# Altium PCB RS2-708_V010.PcbDoc (part 1 of 4) (continued)
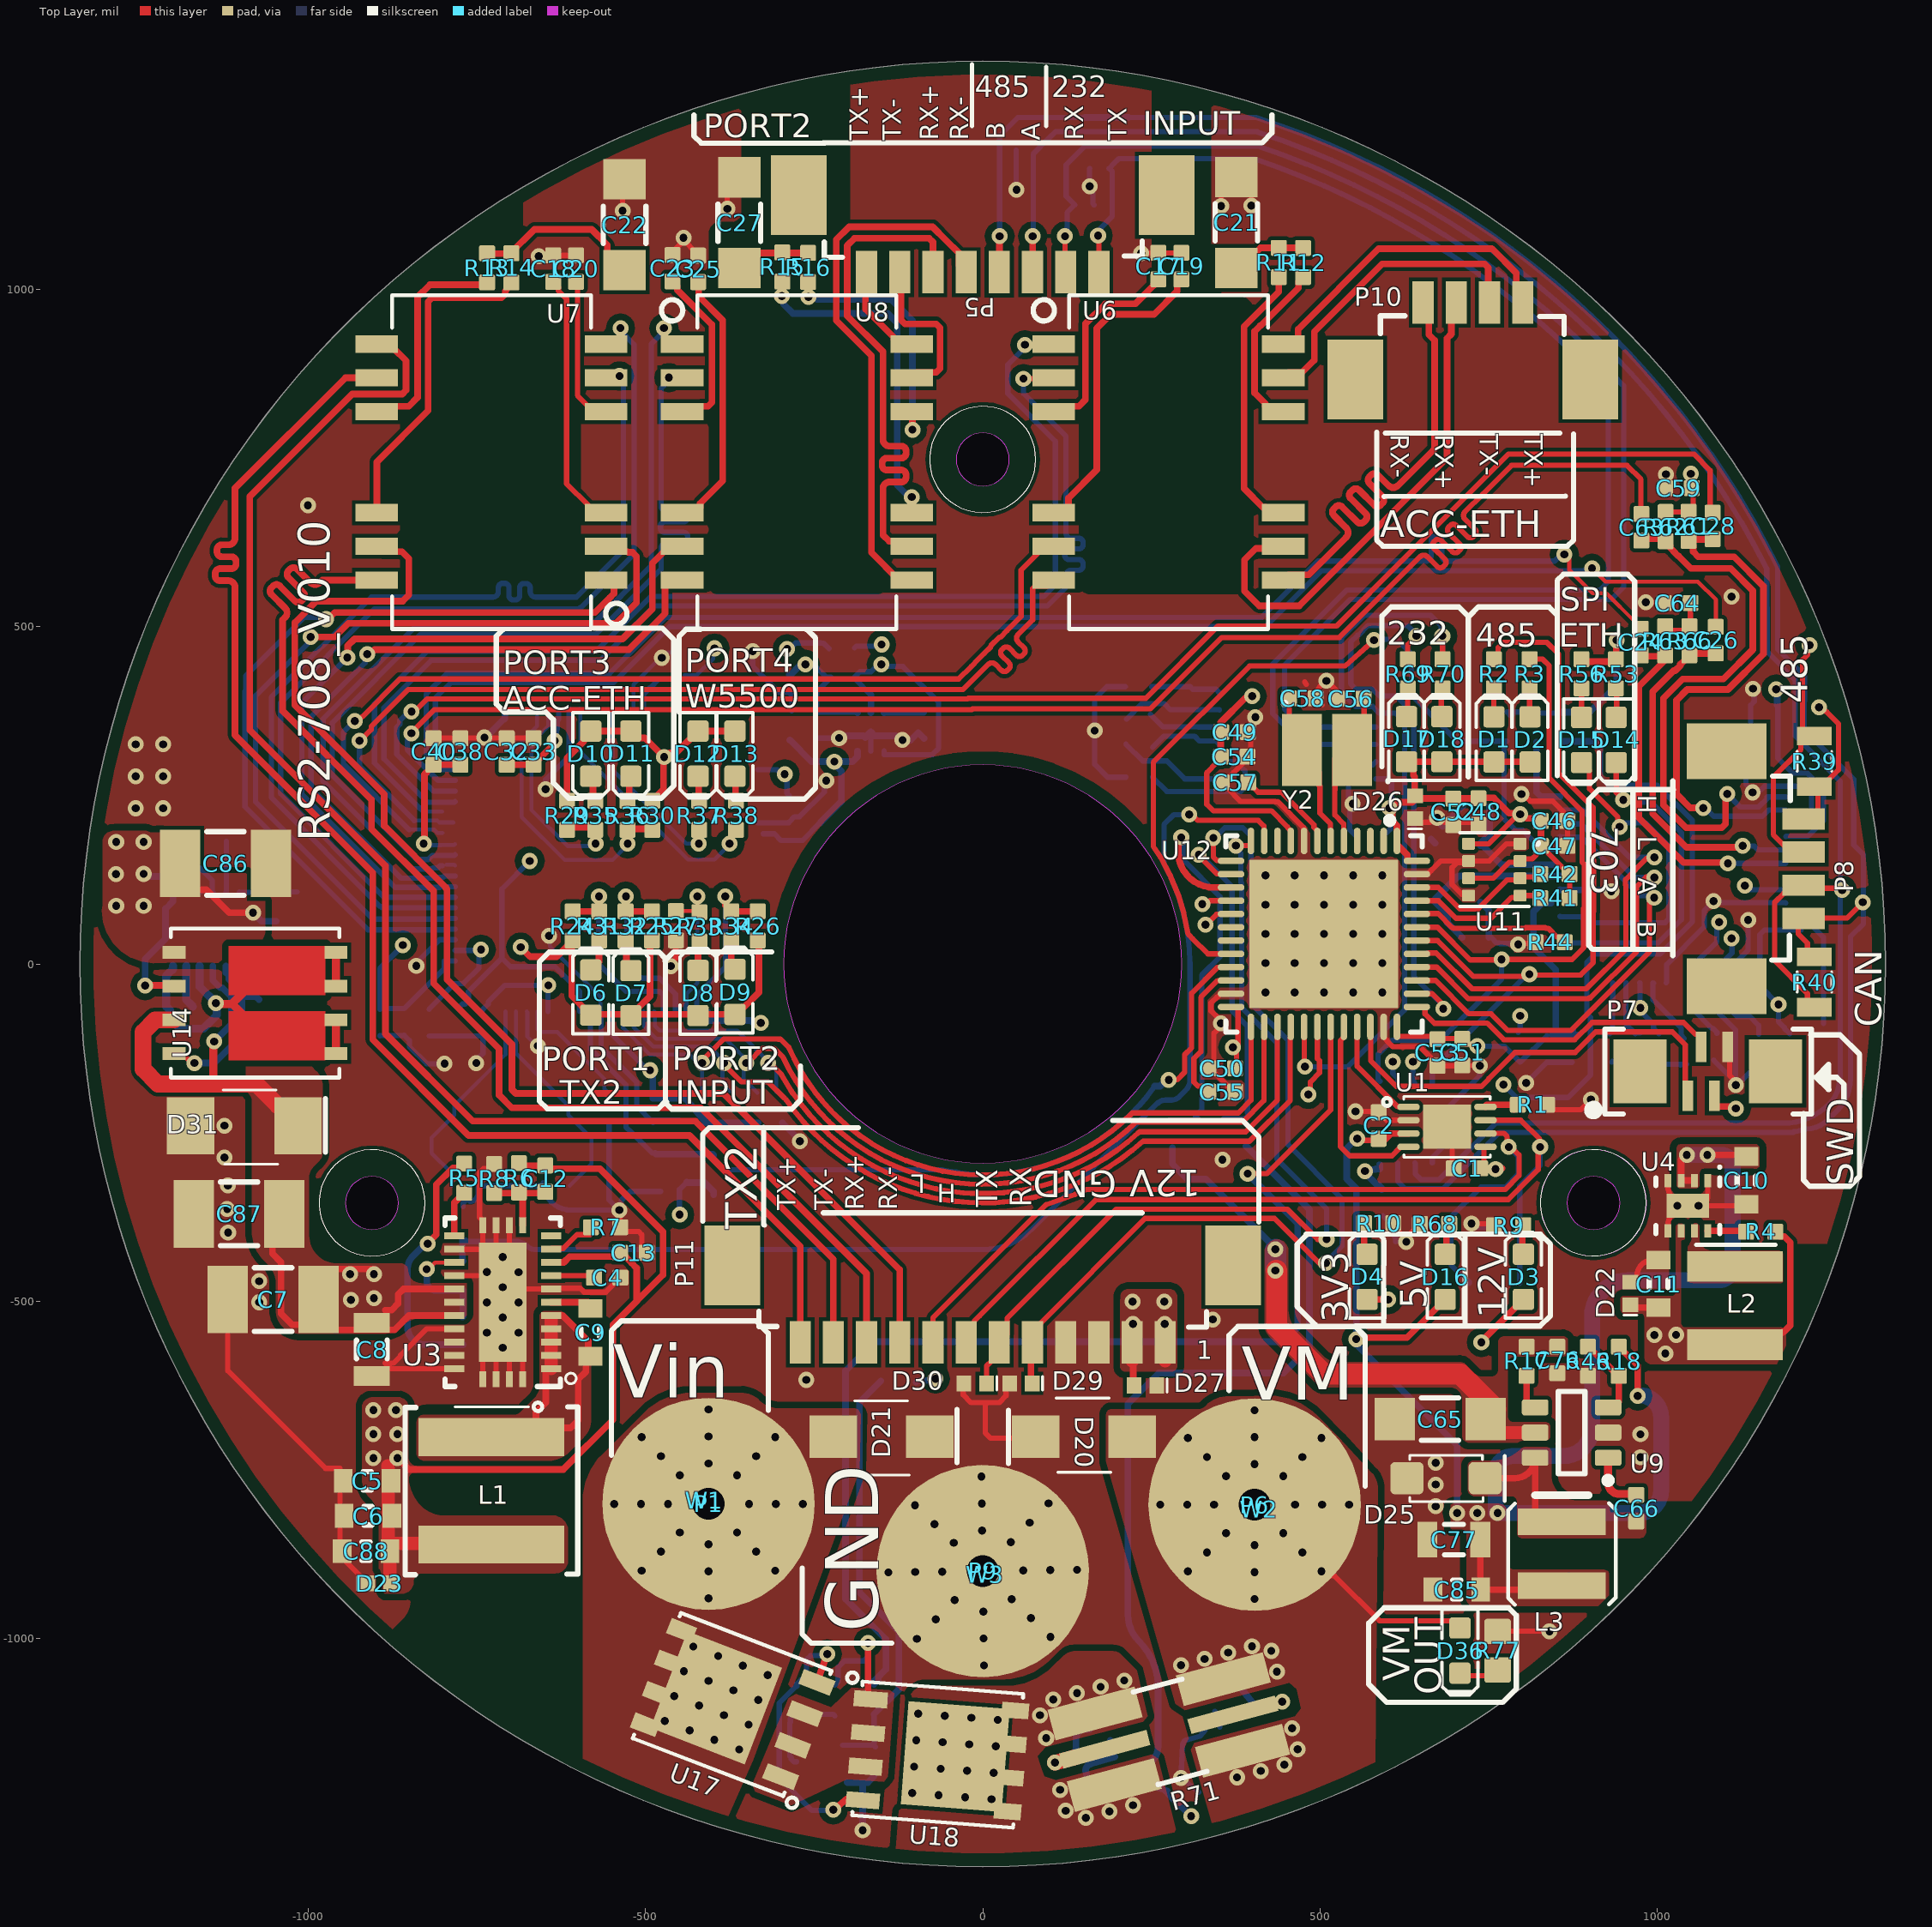
[diagram p0: Top Layer view]
## Part data (continued)
C8: Capacitance=470nF, Case/Package=0805, Case Code (Metric)=2012, Dielectric=X7R, Manufacturer 1=Murata, Manufacturer Part Number 1=GRM21BR72A474KA73L, Max Operating Temperature=125°C, Min Operating Temperature=-55°C, Package Quantity=1, Supplier Part Number 1=490-3326-1-ND, Voltage Rating=100V, Case Code (Imperial)=0805, ComponentLink1Description=https://datasheet.ciiva.com/140/grm21br72a474ka73-140555.pdf?src-supplier=Digi-Key, ComponentLink1URL=https://datasheet.ciiva.com/140/grm21br72a474ka73-140555.pdf?src-supplier=Digi-Key, ComponentLink2Description=https://datasheet.ciiva.com/3777/247grm21br72a474ka7323-3777925.pdf?src-supplier=Arrow, ComponentLink2URL=https://datasheet.ciiva.com/3777/247grm21br72a474ka7323-3777925.pdf?src-supplier=Arrow, ComponentLink3Description=https://datasheet.ciiva.com/140/grm21br72a474ka73-140556.pdf?src-supplier=Digi-Key, ComponentLink3URL=https://datasheet.ciiva.com/140/grm21br72a474ka73-140556.pdf?src-supplier=Digi-Key, ComponentLink4Description=https://datasheet.ciiva.com/11621/product-11621821.pdf?src-supplier=Avnet, ComponentLink4URL=https://datasheet.ciiva.com/11621/product-11621821.pdf?src-supplier=Avnet, ComponentLink5Description=https://datasheet.ciiva.com/16440/product-16440636.pdf?src-supplier=Future+Electronics, ComponentLink5URL=https://datasheet.ciiva.com/16440/product-16440636.pdf?src-supplier=Future+Electronics, Depth=1.25mm, Height=1.25mm, Lead Free="Lead Free", Length=2mm, Material=Ceramic, Mount="Surface Mount", Packaging="Tape and Reel", Pricing 1="1=0,73000, 10=0,51300, 100=0,33770, 500=0,25016, 1000=0,21264 (USD)", Radiation Hardening=No, REACH SVHC="No SVHC", RoHS=Yes, Stock 1=259019, Supplier 1=Digi-Key, Termination=SMD/SMT, Thickness=0.053inch, Voltage Rating (DC)=100V, Width=1.25mm
C11: Capacitance=22uF, Case/Package=0603, Case Code (Metric)=1608, Manufacturer=Samsung, Manufacturer Part Number=CL10A226MO7JZNC, Max Operating Temperature=85°C, Min Operating Temperature=-55°C, Supplier Part Number 1=1276-7076-1-ND, Tolerance=20%, Voltage Rating=16V, Case Code (Imperial)=0603, Component Type="Capacitor Ceramic", Mount="Surface Mount", Packaging="Tape and Reel", Stock 1=269638, Supplier 1=Digi-Key
C12: Capacitance=3.3pF, Case/Package=0402, Case Code (Metric)=1005, Dielectric=C0G, Manufacturer 1=Murata, Manufacturer Part Number 1=GJM1555C1H3R3CB01D, Max Operating Temperature=125°C, Min Operating Temperature=-55°C, Package Quantity=1, Supplier Part Number 1=490-3095-1-ND, Voltage Rating=50V, Case Code (Imperial)=0402, ComponentLink1Description=https://datasheet.ciiva.com/17453/product-17453499.pdf?src-supplier=Avnet+Europe, ComponentLink1URL=https://datasheet.ciiva.com/17453/product-17453499.pdf?src-supplier=Avnet+Europe, ComponentLink2Description=https://datasheet.ciiva.com/18183/getdatasheetpartid-137633-18183838.pdf?src-supplier=Verical, ComponentLink2URL=https://datasheet.ciiva.com/18183/getdatasheetpartid-137633-18183838.pdf?src-supplier=Verical, ComponentLink3Description=https://datasheet.ciiva.com/132/partnumbering-e-01-132447.pdf?src-supplier=Digi-Key, ComponentLink3URL=https://datasheet.ciiva.com/132/partnumbering-e-01-132447.pdf?src-supplier=Digi-Key, ComponentLink4Description=https://datasheet.ciiva.com/16218/l0005e-16218053.pdf?src-supplier=Future+Electronics, ComponentLink4URL=https://datasheet.ciiva.com/16218/l0005e-16218053.pdf?src-supplier=Future+Electronics, ComponentLink5Description=https://datasheet.ciiva.com/132/partnumbering-e-01-132445.pdf?src-supplier=Digi-Key, ComponentLink5URL=https://datasheet.ciiva.com/132/partnumbering-e-01-132445.pdf?src-supplier=Digi-Key, ComponentLink6Description=https://datasheet.ciiva.com/132/partnumbering-e-01-132446.pdf?src-supplier=Digi-Key, ComponentLink6URL=https://datasheet.ciiva.com/132/partnumbering-e-01-132446.pdf?src-supplier=Digi-Key, Depth=0.5mm, Height=0.5mm, Lead Free="Lead Free", Length=1mm, Mount="Surface Mount", Packaging="Tape and Reel", Pricing 1="1=0,12000, 10=0,08200, 100=0,03850, 500=0,02700, 1000=0,02236, 2500=0,02081, 5000=0,01904 (USD)", Radiation Hardening=No, RoHS=Yes, Stock 1=305012, Supplier 1=Digi-Key, Termination=SMD/SMT, Thickness=0.022inch, Voltage Rating (DC)=50V, Width=0.5mm
C13: Capacitance=1uF, Case Code (Imperial)=0402, Case Code (Metric)=1005, Manufacturer 1=Murata, Manufacturer Part Number 1=GRM155R6YA105KE11D, Max Operating Temperature=85°C, Min Operating Temperature=-55°C, Supplier Part Number 1=490-10019-1-ND, Voltage Rating=35V, Case/Package=0402, ComponentLink1Description=http://search.murata.co.jp/Ceramy/image/img/A01X/G101/ENG/GRM155R6YA105KE11-01.pdf?src-supplier=Digi-Key, ComponentLink1URL=http://search.murata.co.jp/Ceramy/image/img/A01X/G101/ENG/GRM155R6YA105KE11-01.pdf?src-supplier=Digi-Key, ComponentLink2Description=http://psearch.en.murata.com/capacitor/product/GRM155R6YA105KE11%23.pdf?src-supplier=Avnet, ComponentLink2URL=http://psearch.en.murata.com/capacitor/product/GRM155R6YA105KE11%23.pdf?src-supplier=Avnet, Length=0.039inch, Mount="Surface Mount", Packaging="Tape and Reel", Pricing 1="1=0,26000, 10=0,18100, 100=0,10280, 500=0,07258, 1000=0,06350, 2500=0,06048, 5000=0,05594 (USD)", RoHS=Yes, Stock 1=441965, Supplier 1=Digi-Key, Thickness=0.024inch, Voltage Rating (DC)=35V, Width=0.02inch
C16 C64 C75: Capacitance=10nF, Case/Package=0402, Case Code (Metric)=1005, Dielectric=X7R, Manufacturer 1=Murata, Manufacturer Part Number 1=GCM155R71H103KA55D, Max Operating Temperature=125°C, Min Operating Temperature=-55°C, Package Quantity=1, Ratings=AEC-Q200, Supplier Part Number 1=490-4762-1-ND, Voltage Rating=50V, Case Code (Imperial)=0402, ComponentLink1Description=https://datasheet.ciiva.com/16199/product-16199584.pdf?src-supplier=Future+Electronics, ComponentLink1URL=https://datasheet.ciiva.com/16199/product-16199584.pdf?src-supplier=Future+Electronics, ComponentLink2Description=https://datasheet.ciiva.com/18100/getdatasheetpartid-27433-18100656.pdf?src-supplier=Verical, ComponentLink2URL=https://datasheet.ciiva.com/18100/getdatasheetpartid-27433-18100656.pdf?src-supplier=Verical, ComponentLink3Description=https://datasheet.ciiva.com/11787/0900766b80ef92d0-11787082.pdf?src-supplier=RSComponents, ComponentLink3URL=https://datasheet.ciiva.com/11787/0900766b80ef92d0-11787082.pdf?src-supplier=RSComponents, ComponentLink4Description=https://datasheet.ciiva.com/130/product-130683.pdf?src-supplier=Digi-Key, ComponentLink4URL=https://datasheet.ciiva.com/130/product-130683.pdf?src-supplier=Digi-Key, ComponentLink5Description=https://datasheet.ciiva.com/130/product-130682.pdf?src-supplier=Digi-Key, ComponentLink5URL=https://datasheet.ciiva.com/130/product-130682.pdf?src-supplier=Digi-Key, ComponentLink6Description=https://datasheet.ciiva.com/130/product-130684.pdf?src-supplier=Digi-Key, ComponentLink6URL=https://datasheet.ciiva.com/130/product-130684.pdf?src-supplier=Digi-Key, ComponentLink7Description=https://datasheet.ciiva.com/2989/product-2989235.pdf?src-supplier=Avnet, ComponentLink7URL=https://datasheet.ciiva.com/2989/product-2989235.pdf?src-supplier=Avnet, ComponentLink8Description=https://datasheet.ciiva.com/16624/product-16624550.pdf?src-supplier=Avnet+Europe, ComponentLink8URL=https://datasheet.ciiva.com/16624/product-16624550.pdf?src-supplier=Avnet+Europe, Depth=0.5mm, Height=0.5mm, Lead Free="Lead Free", Length=1mm, Mount="Surface Mount", Packaging="Tape and Reel", Pricing 1="1=0,10000, 10=0,04400, 100=0,01980, 500=0,01412, 1000=0,01109, 2500=0,01008, 5000=0,00927 (USD)", Radiation Hardening=No, REACH SVHC="No SVHC", RoHS=Yes, Stock 1=20325180, Supplier 1=Digi-Key, Termination=SMD/SMT, Thickness=0.022inch, Voltage Rating (DC)=50V, Width=0.02inch
C21 C22 C27: Capacitance=1nF, Case/Package=1206, Dielectric=X7R, Dielectric Material=Ceramic, Max Operating Temperature=125°C, Min Operating Temperature=-55°C, Supplier Part Number 1=399-4819-1-ND, Voltage Rating (DC)=2kV, ComponentLink1Description=http://www.farnell.com/datasheets/1807957.pdf?src-supplier=Element14, ComponentLink1URL=http://www.farnell.com/datasheets/1807957.pdf?src-supplier=Element14, ComponentLink2Description=https://www.verical.com/server-webapp/html/getDatasheet?partID=359031&src-supplier=Verical, ComponentLink2URL=https://www.verical.com/server-webapp/html/getDatasheet?partID=359031&src-supplier=Verical, ComponentLink3Description=http://www.farnell.com/datasheets/1372242.pdf?src-supplier=Element14, ComponentLink3URL=http://www.farnell.com/datasheets/1372242.pdf?src-supplier=Element14, Depth=1.6mm, Height=1.6mm, Length=3.2mm, Mount="Surface Mount", Packaging="Tape and Reel", Radiation Hardening=No, Stock 1=192377, Supplier 1=Digi-Key
C28 C63 C66 C84: Capacitance=100nF, Case Code (Imperial)=0402, Case Code (Metric)=1005, Dielectric=X7R, Manufacturer=TDK, Manufacturer Part Number=CGA2B3X7R1H104K050BB, Max Operating Temperature=125°C, Min Operating Temperature=-55°C, Package Quantity=1, Ratings=AEC-Q200, Supplier Part Number 1=445-6899-1-ND, Tolerance=10%, Voltage=50V, Case/Package=0402, ComponentLink1Description=http://product.tdk.com/capacitor/mlcc/en/documents/mlccspec_automotive_general_midvoltage_en.pdf?src-supplier=Future+Electronics, ComponentLink1URL=http://product.tdk.com/capacitor/mlcc/en/documents/mlccspec_automotive_general_midvoltage_en.pdf?src-supplier=Future+Electronics, ComponentLink2Description=http://www.farnell.com/datasheets/1807242.pdf?src-supplier=Element14, ComponentLink2URL=http://www.farnell.com/datasheets/1807242.pdf?src-supplier=Element14, ComponentLink3Description=http://www.mouser.com/ds/2/400/lcc_automotive_general_en-843974.pdf?src-supplier=Mouser, ComponentLink3URL=http://www.mouser.com/ds/2/400/lcc_automotive_general_en-843974.pdf?src-supplier=Mouser, ComponentLink4Description=http://www.farnell.com/datasheets/1936565.pdf?src-supplier=Element14, ComponentLink4URL=http://www.farnell.com/datasheets/1936565.pdf?src-supplier=Element14, ComponentLink5Description=http://www.farnell.com/datasheets/1735392.pdf?src-supplier=Element14, ComponentLink5URL=http://www.farnell.com/datasheets/1735392.pdf?src-supplier=Element14, Composition=Ceramic, Depth=0.5mm, Height=0.5mm, Lead Free="Lead Free", Length=1mm, Mount="Surface Mount", Packaging="Tape and Reel", REACH SVHC="No SVHC", Stock 1=14098587, Supplier 1=Digi-Key, Termination=SMD/SMT, Thickness=0.022inch, Voltage Rating=50V, Voltage Rating (DC)=50V, Weight=2.3E-05oz, Width=0.02inch
C29 C30: Capacitance=22pF, Case/Package=0402, Case Code (Metric)=1005, Dielectric=C0G, Manufacturer 1=Murata, Manufacturer Part Number 1=GRM1555C1H220FA01D, Max Operating Temperature=125°C, Min Operating Temperature=-55°C, Package Quantity=1, Supplier Part Number 1=490-8589-1-ND, Voltage Rating=50V, Case Code (Imperial)=0402, ComponentLink1Description=https://datasheet.ciiva.com/11789/0900766b80ef921d-11789137.pdf?src-supplier=RSComponents, ComponentLink1URL=https://datasheet.ciiva.com/11789/0900766b80ef921d-11789137.pdf?src-supplier=RSComponents, ComponentLink2Description=https://datasheet.ciiva.com/29536/partnumbering-e-01-29536087.pdf?src-supplier=Digi-Key, ComponentLink2URL=https://datasheet.ciiva.com/29536/partnumbering-e-01-29536087.pdf?src-supplier=Digi-Key, ComponentLink3Description=https://datasheet.ciiva.com/29534/partnumbering-e-01-29534686.pdf?src-supplier=Digi-Key, ComponentLink3URL=https://datasheet.ciiva.com/29534/partnumbering-e-01-29534686.pdf?src-supplier=Digi-Key, ComponentLink4Description=https://datasheet.ciiva.com/29536/partnumbering-e-01-29536088.pdf?src-supplier=Digi-Key, ComponentLink4URL=https://datasheet.ciiva.com/29536/partnumbering-e-01-29536088.pdf?src-supplier=Digi-Key, Depth=0.5mm, Height=0.5mm, Lead Free="Lead Free", Length=1mm, Material=Ceramic, Mount="Surface Mount", Packaging="Tape and Reel", Pricing 1="1=0,10000, 10=0,07400, 100=0,03290, 500=0,02348, 1000=0,01845, 2500=0,01678, 5000=0,01543 (USD)", Radiation Hardening=No, REACH SVHC="No SVHC", RoHS=Yes, Stock 1=1227141, Supplier 1=Digi-Key, Termination=SMD/SMT, Thickness=0.022inch, Voltage Rating (DC)=50V, Width=0.5mm
C32 C36 C38 C42 C53 C62 C73: Capacitance=4.7uF, Case/Package=0402, Case Code (Metric)=1005, Manufacturer 1=Samsung, Manufacturer Part Number 1=CL05A475MO5NUNC, Max Operating Temperature=85°C, Min Operating Temperature=-55°C, Supplier Part Number 1=1276-6836-1-ND, Voltage Rating=16V, Case Code (Imperial)=0402, ComponentLink1Description=http://www.samsungsem.com/kr/support/product-search/mlcc/CL05A475MO5NUNC.jsp?src-supplier=Digi-Key, ComponentLink1URL=http://www.samsungsem.com/kr/support/product-search/mlcc/CL05A475MO5NUNC.jsp?src-supplier=Digi-Key, Length=0.039inch, Mount="Surface Mount", Packaging="Tape and Reel", Pricing 1="1=0,41000, 10=0,29200, 100=0,19210, 500=0,14232, 1000=0,12097, 2500=0,11386, 5000=0,10674 (USD)", RoHS=Yes, Stock 1=2288634, Supplier 1=Digi-Key, Thickness=0.022inch, Width=0.02inch
C54: Capacitance=1uF, Case/Package=0402, Case Code (Metric)=1005, Manufacturer 1=Murata, Manufacturer Part Number 1=GRM155R6YA105KE11D, Max Operating Temperature=85°C, Min Operating Temperature=-55°C, Supplier Part Number 1=490-10019-1-ND, Voltage Rating=35V, Case Code (Imperial)=0402, ComponentLink1Description=http://search.murata.co.jp/Ceramy/image/img/A01X/G101/ENG/GRM155R6YA105KE11-01.pdf?src-supplier=Digi-Key, ComponentLink1URL=http://search.murata.co.jp/Ceramy/image/img/A01X/G101/ENG/GRM155R6YA105KE11-01.pdf?src-supplier=Digi-Key, ComponentLink2Description=http://psearch.en.murata.com/capacitor/product/GRM155R6YA105KE11%23.pdf?src-supplier=Avnet, ComponentLink2URL=http://psearch.en.murata.com/capacitor/product/GRM155R6YA105KE11%23.pdf?src-supplier=Avnet, Length=0.039inch, Mount="Surface Mount", Packaging="Tape and Reel", Pricing 1="1=0,26000, 10=0,18100, 100=0,10280, 500=0,07258, 1000=0,06350, 2500=0,06048, 5000=0,05594 (USD)", RoHS=Yes, Stock 1=441965, Supplier 1=Digi-Key, Thickness=0.024inch, Voltage Rating (DC)=35V, Width=0.02inch
C56 C58: "CAP CER 6PF 100V C0G/NP0 0402", Capacitance=6pF, Case Code (Imperial)=0402, Case Code (Metric)=1005, Manufacturer 1=KEMET, Manufacturer Part Number 1=CBR04C609B1GAC, Max Operating Temperature=125°C, Min Operating Temperature=-55°C, Package Quantity=1, Supplier Part Number 1=399-8610-1-ND, Voltage Rating=100V, Case/Package=0402, Category="Ceramic Capacitors", ComponentLink1Description=https://datasheet.ciiva.com/6257/kem-c1030-cbr-smd-6257478.pdf?src-supplier=Digi-Key, ComponentLink1URL=https://datasheet.ciiva.com/6257/kem-c1030-cbr-smd-6257478.pdf?src-supplier=Digi-Key, ComponentLink2Description=https://datasheet.ciiva.com/6257/kem-c1030-cbr-smd-6257482.pdf?src-supplier=Digi-Key, ComponentLink2URL=https://datasheet.ciiva.com/6257/kem-c1030-cbr-smd-6257482.pdf?src-supplier=Digi-Key, Length=0.039inch, Mount="Surface Mount", Packaging="Tape and Reel", Pricing 1="1=0,34000, 10=0,23300, 50=0,15540, 100=0,13200, 500=0,09320, 1000=0,08154, 2500=0,07766, 5000=0,07184 (USD)", RoHS=Yes, RoHS Compliant=Yes, Series=CBR, Stock 1=20446, Supplier 1=Digi-Key, Thickness=0.022inch, Voltage Rating (DC)=100V, Width=0.02inch
C59: Capacitance=22nF, Case/Package=0402, Case Code (Metric)=1005, Dielectric=X7R, Manufacturer 1=Murata, Manufacturer Part Number 1=GCM155R71H223KA55D, Max Operating Temperature=125°C, Min Operating Temperature=-55°C, Package Quantity=10000, Ratings=AEC-Q200, Supplier Part Number 1=490-4763-1-ND, Voltage Rating=50V, Case Code (Imperial)=0402, ComponentLink1Description=https://datasheet.ciiva.com/155/product-155891.pdf?src-supplier=Digi-Key, ComponentLink1URL=https://datasheet.ciiva.com/155/product-155891.pdf?src-supplier=Digi-Key, ComponentLink2Description=https://datasheet.ciiva.com/155/product-155890.pdf?src-supplier=Digi-Key, ComponentLink2URL=https://datasheet.ciiva.com/155/product-155890.pdf?src-supplier=Digi-Key, ComponentLink3Description=https://datasheet.ciiva.com/16199/product-16199333.pdf?src-supplier=Future+Electronics, ComponentLink3URL=https://datasheet.ciiva.com/16199/product-16199333.pdf?src-supplier=Future+Electronics, ComponentLink4Description=https://datasheet.ciiva.com/155/product-155892.pdf?src-supplier=Digi-Key, ComponentLink4URL=https://datasheet.ciiva.com/155/product-155892.pdf?src-supplier=Digi-Key, ComponentLink5Description=https://datasheet.ciiva.com/16624/product-16624552.pdf?src-supplier=Avnet+Europe, ComponentLink5URL=https://datasheet.ciiva.com/16624/product-16624552.pdf?src-supplier=Avnet+Europe, Depth=0.5mm, Height=0.5mm, Lead Free="Lead Free", Length=1mm, Mount="Surface Mount", Packaging="Tape and Reel", Pricing 1="1=0,11000, 10=0,07700, 100=0,03450, 500=0,02462, 1000=0,01935, 2500=0,01759, 5000=0,01618 (USD)", Radiation Hardening=No, RoHS=Yes, Stock 1=1693651, Supplier 1=Digi-Key, Termination=SMD/SMT, Thickness=0.022inch, Voltage Rating (DC)=50V, Width=0.02inch
C60 C61: Capacitance=16pF, Case/Package=0402, Case Code (Metric)=1005, Dielectric=C0G, Manufacturer 1=Murata, Manufacturer Part Number 1=GRM1555C1H160JA01D, Max Operating Temperature=125°C, Min Operating Temperature=-55°C, Package Quantity=1, Supplier Part Number 1=490-5926-1-ND, Voltage Rating=50V, Case Code (Imperial)=0402, ComponentLink1Description=https://datasheet.ciiva.com/3778/10932grm1555c1h160ja0123-3778199.pdf?src-supplier=Arrow, ComponentLink1URL=https://datasheet.ciiva.com/3778/10932grm1555c1h160ja0123-3778199.pdf?src-supplier=Arrow, ComponentLink2Description=https://datasheet.ciiva.com/6256/grm1555c1h160ja01-01-6256808.pdf?src-supplier=Digi-Key, ComponentLink2URL=https://datasheet.ciiva.com/6256/grm1555c1h160ja01-01-6256808.pdf?src-supplier=Digi-Key, ComponentLink3Description=https://datasheet.ciiva.com/18184/getdatasheetpartid-319096-18184204.pdf?src-supplier=Verical, ComponentLink3URL=https://datasheet.ciiva.com/18184/getdatasheetpartid-319096-18184204.pdf?src-supplier=Verical, ComponentLink4Description=https://datasheet.ciiva.com/22698/1666664-22698393.pdf?src-supplier=Element14, ComponentLink4URL=https://datasheet.ciiva.com/22698/1666664-22698393.pdf?src-supplier=Element14, ComponentLink5Description=https://datasheet.ciiva.com/6256/partnumbering-e-01-6256810.pdf?src-supplier=Digi-Key, ComponentLink5URL=https://datasheet.ciiva.com/6256/partnumbering-e-01-6256810.pdf?src-supplier=Digi-Key, ComponentLink6Description=https://datasheet.ciiva.com/6256/partnumbering-e-01-6256812.pdf?src-supplier=Digi-Key, ComponentLink6URL=https://datasheet.ciiva.com/6256/partnumbering-e-01-6256812.pdf?src-supplier=Digi-Key, ComponentLink7Description=https://datasheet.ciiva.com/5426/product-5426941.pdf?src-supplier=Mouser, ComponentLink7URL=https://datasheet.ciiva.com/5426/product-5426941.pdf?src-supplier=Mouser, Depth=0.5mm, Height=0.5mm, Lead Free="Lead Free", Length=1mm, Material=Ceramic, Mount="Surface Mount", Packaging="Tape and Reel", Pricing 1="1=0,10000, 10=0,06500, 100=0,02920, 500=0,02082, 1000=0,01637, 2500=0,01488, 5000=0,01369 (USD)", Radiation Hardening=No, REACH SVHC="No SVHC", RoHS=Yes, Stock 1=244001, Supplier 1=Digi-Key, Termination=SMD/SMT, Thickness=0.022inch, Voltage Rating (DC)=50V, Width=0.5mm
C65: "CAP CER 2.2UF 100V X7R 1206", Capacitance=2.2uF, Case/Package=1206, Manufacturer 1=Yageo, Manufacturer Part Number 1=CC1206KKX7R0BB225, Max Operating Temperature=125°C, Min Operating Temperature=-55°C, Supplier Part Number 1=311-3450-1-ND, Voltage Rating=100V, Category="Ceramic Capacitors", ComponentLink1Description=http://www.yageo.com/documents/recent/UPY-NP0X7R_MV_100-to-630V_21.pdf?src-supplier=Digi-Key, ComponentLink1URL=http://www.yageo.com/documents/recent/UPY-NP0X7R_MV_100-to-630V_21.pdf?src-supplier=Digi-Key, ComponentLink2Description=http://www.yageo.com/documents/recent/UPY-NP0X7R_MV_100-to-630V_18.pdf?src-supplier=Digi-Key, ComponentLink2URL=http://www.yageo.com/documents/recent/UPY-NP0X7R_MV_100-to-630V_18.pdf?src-supplier=Digi-Key, Length=0.126inch, Mount="Surface Mount", Packaging="Tape and Reel", Pricing 1="1=0,72000, 10=0,50600, 50=0,38280, 100=0,33330, 500=0,24690, 1000=0,20987 (USD)", RoHS=Yes, Stock 1=8, Supplier 1=Digi-Key, Thickness=0.057inch, Width=0.063inch
C76: "0402 0.1 uF 100 V ±10% Tolerance X5R SMT Multilayer Ceramic Capacitor", Capacitance=100nF, Case Code (Imperial)=0402, Case Code (Metric)=1005, Dielectric=X5R, Manufacturer 1=Murata, Manufacturer Part Number 1=GRM155R62A104KE14D, Max Operating Temperature=85°C, Min Operating Temperature=-55°C, Package Quantity=10000, Supplier Part Number 1=490-10458-1-ND, Voltage Rating=100V, Case/Package=0402, Category="Ceramic Capacitors", ComponentLink1Description=http://www.farnell.com/datasheets/2079151.pdf?src-supplier=Farnell, ComponentLink1URL=http://www.farnell.com/datasheets/2079151.pdf?src-supplier=Farnell, ComponentLink2Description=http://www.mouser.com/ds/2/281/c02e-2905.pdf?src-supplier=Mouser, ComponentLink2URL=http://www.mouser.com/ds/2/281/c02e-2905.pdf?src-supplier=Mouser, ComponentLink3Description=http://search.murata.co.jp/Ceramy/image/img/A01X/G101/ENG/GRM155R62A104KE14-01.pdf?src-supplier=Digi-Key, ComponentLink3URL=http://search.murata.co.jp/Ceramy/image/img/A01X/G101/ENG/GRM155R62A104KE14-01.pdf?src-supplier=Digi-Key, ComponentLink4Description=http://www.farnell.com/datasheets/2079151.pdf?src-supplier=Newark, ComponentLink4URL=http://www.farnell.com/datasheets/2079151.pdf?src-supplier=Newark, ComponentLink5Description=http://www.farnell.com/datasheets/2079151.pdf?src-supplier=Element14, ComponentLink5URL=http://www.farnell.com/datasheets/2079151.pdf?src-supplier=Element14, Height=0.5mm, Lead Free="Lead Free", Length=0.039inch, Mount="Surface Mount", Packaging="Tape and Reel", Pricing 1="1=0,10000, 10=0,02900, 50=0,01580, 100=0,01300, 500=0,00926, 1000=0,00727, 2500=0,00661, 5000=0,00608 (USD)", REACH SVHC="No SVHC", RoHS=Yes, RoHS Compliant=Yes, Stock 1=1971097, Supplier 1=Digi-Key, Termination=SMD/SMT, Thickness=0.022inch, Voltage Rating (DC)=100V, Weight=0.000212oz, Width=0.5mm
C77: "CAP CER 22UF 16V X5R 0805", Capacitance=22uF, Case Code (Imperial)=0805, Case Code (Metric)=2012, Manufacturer 1=Samsung, Manufacturer Part Number 1=CL21A226KOQNNNE, Max Operating Temperature=85°C, Min Operating Temperature=-55°C, Supplier Part Number 1=1276-6526-1-ND, Voltage Rating=16V, Case/Package=0805, Category="Ceramic Capacitors", ComponentLink1Description=http://www.samsungsem.com/kr/support/library/product-catalog/mlcc.jsp?src-supplier=Digi-Key, ComponentLink1URL=http://www.samsungsem.com/kr/support/library/product-catalog/mlcc.jsp?src-supplier=Digi-Key, Lead Free="Lead Free", Length=0.079inch, Mount="Surface Mount", Packaging="Tape and Reel", Pricing 1="1=0,37000, 10=0,25800, 50=0,18040, 100=0,15460, 500=0,11592, 1000=0,09789 (USD)", RoHS=Yes, RoHS Compliant=Yes, Stock 1=430260, Supplier 1=Digi-Key, Thickness=0.055inch, Voltage Rating (DC)=16V, Width=0.049inch
C83: "CAP CER 1.5UF 35V X5R 0402", Capacitance=1.5uF, Case Code (Imperial)=0402, Case Code (Metric)=1005, Dielectric=X5R, Dielectric Material=Ceramic, Manufacturer 1=TDK, Manufacturer Part Number 1=C1005X5R1V155K050BC, Max Operating Temperature=85°C, Min Operating Temperature=-55°C, Package Quantity=10000, Supplier Part Number 1=445-13860-1-ND, Voltage Rating=35V, Case/Package=0402, Category="Ceramic Capacitors", ComponentLink1Description=https://datasheet.ciiva.com/14896/tdkmlcccaprange-14896024.pdf?src-supplier=Digi-Key, ComponentLink1URL=https://datasheet.ciiva.com/14896/tdkmlcccaprange-14896024.pdf?src-supplier=Digi-Key, ComponentLink2Description=https://datasheet.ciiva.com/14896/tdkmlcccaprange-14896026.pdf?src-supplier=Digi-Key, ComponentLink2URL=https://datasheet.ciiva.com/14896/tdkmlcccaprange-14896026.pdf?src-supplier=Digi-Key, ComponentLink3Description=https://datasheet.ciiva.com/14896/tdkmlcccaprange-14896025.pdf?src-supplier=Digi-Key, ComponentLink3URL=https://datasheet.ciiva.com/14896/tdkmlcccaprange-14896025.pdf?src-supplier=Digi-Key, Height=0.5mm, Lead Free="Lead Free", Length=0.039inch, Mount="Surface Mount", Packaging="Tape and Reel", Pricing 1="1=0,37000, 10=0,25800, 50=0,18100, 100=0,15510, 500=0,11632, 1000=0,09823, 2500=0,09306, 5000=0,08789 (USD)", Resistor Type=Ceramic, RoHS=Yes, RoHS Compliant=Yes, Series=C, Stock 1=9270, Supplier 1=Digi-Key, Termination=SMD/SMT, Thickness=0.022inch, Voltage Rating (DC)=35V, Weight=0.001199oz, Width=0.5mm
C85: "TDK - C1608X5R1C106M080AB - SMD Multilayer Ceramic Capacitor, 10 µF, 16 V, 0603 [1608 Metric], ± 20%, X5R, C Series", Capacitance=10uF, Case Code (Imperial)=0603, Case Code (Metric)=1608, Dielectric=X5R, Dielectric Material=Ceramic, Manufacturer 1=TDK, Manufacturer Part Number 1=C1608X5R1C106M080AB, Max Operating Temperature=85°C, Min Operating Temperature=-55°C, Package Quantity=4000, Supplier Part Number 1=445-9065-1-ND, Voltage Rating=16V, Case/Package=0603, Category="Ceramic Capacitors", ComponentLink1Description=https://datasheet.ciiva.com/26946/getdatasheetpartid-727879-26946512.pdf?src-supplier=Verical, ComponentLink1URL=https://datasheet.ciiva.com/26946/getdatasheetpartid-727879-26946512.pdf?src-supplier=Verical, ComponentLink2Description=https://datasheet.ciiva.com/24216/mlcc-commercial-general-en-24216005.pdf?src-supplier=Mouser, ComponentLink2URL=https://datasheet.ciiva.com/24216/mlcc-commercial-general-en-24216005.pdf?src-supplier=Mouser, ComponentLink3Description=https://datasheet.ciiva.com/16449/mlcc-commercial-general-en-16449581.pdf?src-supplier=Future+Electronics, ComponentLink3URL=https://datasheet.ciiva.com/16449/mlcc-commercial-general-en-16449581.pdf?src-supplier=Future+Electronics, Depth=0.8mm, Height=0.8mm, Lead Free="Lead Free", Length=1.6mm, Mount="Surface Mount", Packaging="Tape and Reel", Pricing 1="1=0,68000, 10=0,48400, 50=0,36580, 100=0,31860, 500=0,23598, 1000=0,20058 (USD)", Radiation Hardening=No, REACH SVHC="No SVHC", Resistor Type=Ceramic, RoHS=Yes, RoHS Compliant=Yes, Series=C, Stock 1=251861, Supplier 1=Digi-Key, Termination=SMD/SMT, Thickness=0.039inch, Voltage Rating (DC)=16V, Weight=7.1E-05oz, Width=0.031inch
C86 C87: "Cap Ceramic 4.7uF 100V X7S 10% Pad SMD 1210 Soft Termination 125°C Automotive T/R", Manufacturer 1=Murata, Manufacturer Part Number 1=GCJ32DC72A475KE01L, Supplier Part Number 1=490-16466-1-ND, Temperature Coefficient=X7S, Tolerance=10%, Voltage=100V, Category="Ceramic Capacitors", ComponentLink1Description=https://search.murata.co.jp/Ceramy/image/img/A01X/G101/ENG/GCJ32DC72A475KE01-01.pdf?src-supplier=Digi-Key, ComponentLink1URL=https://search.murata.co.jp/Ceramy/image/img/A01X/G101/ENG/GCJ32DC72A475KE01-01.pdf?src-supplier=Digi-Key, Pricing 1="1=1,37000, 10=1,07800, 50=0,93460, 100=0,80890, 500=0,61114 (USD)", RoHS=Yes, RoHS Compliant=Yes, Supplier 1=Digi-Key
C88: Capacitance=10uF, Case Code (Imperial)=0603, Case Code (Metric)=1608, Dielectric=X5R, Manufacturer=Murata, Manufacturer Part Number=GRM188R61E106MA73J, Max Operating Temperature=85°C, Min Operating Temperature=-55°C, Package Quantity=10000, Supplier Part Number 1=490-12737-1-ND, Tolerance=20%, Voltage Rating=25V, Case/Package=0603, Component Type="Capacitor Ceramic", Composition=Ceramic, Height=0.8mm, Length=0.063inch, Mount="Surface Mount", Packaging="Tape and Reel", Stock 1=57764, Supplier 1=Digi-Key, Termination=SMD/SMT, Thickness=0.039inch, Voltage Rating (DC)=25V, Weight=0.000222oz, Width=0.031inch
C89 C90 C91: "Cap Ceramic 0.1uF 35V X7R 20% SMD 0402 125°C Punched Paper T/R", Capacitance=100nF, Case Code (Imperial)=0402, Case Code (Metric)=1005, Dielectric=X7R, Max Operating Temperature=125°C, Min Operating Temperature=-55°C, Package Quantity=10000, Ratings=AEC-Q200, Supplier Part Number 1=445-12264-1-ND, Voltage Rating=35V, Case/Package=0402, Category="Ceramic Capacitors", ComponentLink1Description=http://www.mouser.com/ds/2/400/lcc_automotive_general_en-843974.pdf?src-supplier=Mouser, ComponentLink1URL=http://www.mouser.com/ds/2/400/lcc_automotive_general_en-843974.pdf?src-supplier=Mouser, ComponentLink2Description=https://product.tdk.com/info/en/catalog/datasheets/mlcc_automotive_general_en.pdf?src-supplier=Digi-Key, ComponentLink2URL=https://product.tdk.com/info/en/catalog/datasheets/mlcc_automotive_general_en.pdf?src-supplier=Digi-Key, ComponentLink3Description=https://product.tdk.com/info/en/documents/chara_sheet/CGA2B3X7R1V104M050BB.pdf?src-supplier=Digi-Key, ComponentLink3URL=https://product.tdk.com/info/en/documents/chara_sheet/CGA2B3X7R1V104M050BB.pdf?src-supplier=Digi-Key, ComponentLink4Description=http://product.tdk.com/en/catalog/datasheets/mlcc_automotive_general_en.pdf?src-supplier=Avnet, ComponentLink4URL=http://product.tdk.com/en/catalog/datasheets/mlcc_automotive_general_en.pdf?src-supplier=Avnet, Height=0.5mm, Length=0.039inch, Mount="Surface Mount", Packaging="Tape and Reel", Pricing 1="1=0.14000, 10=0.10200, 50=0.05780, 100=0.04780, 500=0.03356, 1000=0.02778, 2500=0.02585, 5000=0.02365 (USD)", RoHS=Yes, RoHS Compliant=Yes, Series=CGA, Stock 1=20636, Supplier 1=Digi-Key, Thickness=0.022inch, Voltage Rating (DC)=35V, Weight=2.3E-05oz, Width=0.02inch
D1 D17: Colour=Yellow, Manufacturer="Wurth Electronics Inc.", Manufacturer Part Number=150060YS75000, Supplier Part Number=732-4981-1-ND, Component Type="Yellow 590nm LED Indication - Discrete 2V 0603 (1608 Metric)", Price=0.39, Supplier=Digi-Key
D2 D18: Colour=Green, Manufacturer="Wurth Electronics Inc.", Manufacturer Part Number=150060GS75000, Supplier Part Number=732-4971-1-ND, Component Type="Green 520nm LED Indication - Discrete 3.2V 0603 (1608 Metric)", Price=0.39, Supplier=Digi-Key
D3 D4 D16 D36: Colour=Red, Manufacturer="Wurth Electronics Inc.", Manufacturer Part Number=150060RS75000, Supplier Part Number=732-4978-1-ND, Component Type="Red 625nm LED Indication - Discrete 2V 0603 (1608 Metric)", Price=0.39, Supplier=Digi-Key
D5: Average Rectified Current=200mA, Forward Current=300mA, Forward Voltage=1V, Manufacturer 1="ON Semiconductor / Fairchild", Manufacturer Part Number 1=1N4148WT, Max Forward Surge Current (Ifsm)=4A, Max Operating Temperature=150°C, Max Repetitive Reverse Voltage (Vrrm)=75V, Min Operating Temperature=-55°C, Package Quantity=1, Peak Reverse Current=5uA, Power Dissipation=200mW, Supplier Part Number 1=1N4148WTCT-ND, ComponentLink1Description=https://datasheet.ciiva.com/30479/0900766b810e1cd4-30479226.pdf?src-supplier=RSComponents, ComponentLink1URL=https://datasheet.ciiva.com/30479/0900766b810e1cd4-30479226.pdf?src-supplier=RSComponents, ComponentLink2Description=https://datasheet.ciiva.com/16744/1n4148wt-16744972.pdf?src-supplier=Future+Electronics, ComponentLink2URL=https://datasheet.ciiva.com/16744/1n4148wt-16744972.pdf?src-supplier=Future+Electronics, ComponentLink3Description=https://datasheet.ciiva.com/916/1n914bwt-916864.pdf?src-supplier=Digi-Key, ComponentLink3URL=https://datasheet.ciiva.com/916/1n914bwt-916864.pdf?src-supplier=Digi-Key, ComponentLink4Description=https://datasheet.ciiva.com/916/1n914bwt-916865.pdf?src-supplier=Digi-Key, ComponentLink4URL=https://datasheet.ciiva.com/916/1n914bwt-916865.pdf?src-supplier=Digi-Key, ComponentLink5Description=https://datasheet.ciiva.com/916/1n914bwt-916866.pdf?src-supplier=Digi-Key, ComponentLink5URL=https://datasheet.ciiva.com/916/1n914bwt-916866.pdf?src-supplier=Digi-Key, ComponentLink6Description=https://datasheet.ciiva.com/15208/getdatasheetpartid-146392-15208359.pdf?src-supplier=Verical, ComponentLink6URL=https://datasheet.ciiva.com/15208/getdatasheetpartid-146392-15208359.pdf?src-supplier=Verical, Contact Plating=Tin,Matte, Element Configuration=Single, Height=0.7mm, Lead Free="Lead Free", Length=1.3mm, Max Reverse Voltage (DC)=75V, Mount="Surface Mount", Number of Pins=2, Packaging="Tape and Reel", Pricing 1="1=0,17000, 10=0,15800, 25=0,15000, 100=0,06600, 250=0,06336, 500=0,05184, 1000=0,03600, 2500=0,03144 (USD)", Radiation Hardening=No, REACH SVHC="No SVHC", Recovery Time=4ns, Reverse Recovery Time=4ns, RoHS=Yes, Stock 1=331918, Supplier 1=Digi-Key, Weight=0.01g, Width=0.9mm
D6 D8 D10 D12 D14: Case/Package=0603, Case Code (Metric)=1608, Color=Green, Forward Current=30mA, Forward Voltage=3.2V, Manufacturer 1="Wurth Electronics", Manufacturer Part Number 1=150060GS75000, Max Operating Temperature=85°C, Min Operating Temperature=-40°C, Package Quantity=4000, Supplier Part Number 1=732-4971-1-ND, Test Current=20mA, Case Code (Imperial)=0603, ComponentLink1Description=https://datasheet.ciiva.com/29562/150060gs75000-29562868.pdf?src-supplier=Digi-Key, ComponentLink1URL=https://datasheet.ciiva.com/29562/150060gs75000-29562868.pdf?src-supplier=Digi-Key, ComponentLink2Description=https://datasheet.ciiva.com/29279/759427-da-01-en-chipled-0603-w-kl-gruen-150060gs75000-29279201.pdf?src-supplier=Conrad, ComponentLink2URL=https://datasheet.ciiva.com/29279/759427-da-01-en-chipled-0603-w-kl-gruen-150060gs75000-29279201.pdf?src-supplier=Conrad, ComponentLink3Description=https://datasheet.ciiva.com/29562/150060gs75000-29562869.pdf?src-supplier=Digi-Key, ComponentLink3URL=https://datasheet.ciiva.com/29562/150060gs75000-29562869.pdf?src-supplier=Digi-Key, ComponentLink4Description=https://datasheet.ciiva.com/29562/150060gs75000-29562870.pdf?src-supplier=Digi-Key, ComponentLink4URL=https://datasheet.ciiva.com/29562/150060gs75000-29562870.pdf?src-supplier=Digi-Key, Dominant Wavelength=520nm, Height=0.7mm, Lead Free="Lead Free", Length=1.6mm, Lens Style=Clear,Rectangular, Luminous Intensity=430mcd, Mount="Surface Mount", Packaging="Tape and Reel", Pricing 1="1=0,14000, 50=0,13300, 100=0,11400, 500=0,09900 (USD)", REACH SVHC=Unknown, RoHS=Yes, Stock 1=151234, Supplier 1=Digi-Key, Viewing Angle=140°, Wavelength=520nm, Width=0.8mm
D7 D9 D11 D13 D15: Case/Package=0603, Case Code (Metric)=1608, Color=Yellow, Forward Current=30mA, Forward Voltage=2V, Manufacturer 1="Wurth Electronics", Manufacturer Part Number 1=150060YS75000, Max Operating Temperature=85°C, Min Operating Temperature=-40°C, Package Quantity=4000, Supplier Part Number 1=732-4981-1-ND, Test Current=20mA, Case Code (Imperial)=0603, ComponentLink1Description=https://datasheet.ciiva.com/23843/150060ys75000-23843250.pdf?src-supplier=Newark, ComponentLink1URL=https://datasheet.ciiva.com/23843/150060ys75000-23843250.pdf?src-supplier=Newark, ComponentLink2Description=https://datasheet.ciiva.com/29279/759432-da-01-en-chipled-0603-w-kl-gelb-150060ys75000-29279206.pdf?src-supplier=Conrad, ComponentLink2URL=https://datasheet.ciiva.com/29279/759432-da-01-en-chipled-0603-w-kl-gelb-150060ys75000-29279206.pdf?src-supplier=Conrad, ComponentLink3Description=https://datasheet.ciiva.com/29563/150060ys75000-29563045.pdf?src-supplier=Digi-Key, ComponentLink3URL=https://datasheet.ciiva.com/29563/150060ys75000-29563045.pdf?src-supplier=Digi-Key, ComponentLink4Description=https://datasheet.ciiva.com/22656/1911348-22656951.pdf?src-supplier=Element14, ComponentLink4URL=https://datasheet.ciiva.com/22656/1911348-22656951.pdf?src-supplier=Element14, ComponentLink5Description=https://datasheet.ciiva.com/29563/150060ys75000-29563033.pdf?src-supplier=Digi-Key, ComponentLink5URL=https://datasheet.ciiva.com/29563/150060ys75000-29563033.pdf?src-supplier=Digi-Key, ComponentLink6Description=https://datasheet.ciiva.com/48430/150060ys75000-eng-tds-48430044.pdf?src-supplier=Distrelec, ComponentLink6URL=https://datasheet.ciiva.com/48430/150060ys75000-eng-tds-48430044.pdf?src-supplier=Distrelec, Dominant Wavelength=590nm, Height=0.7mm, Length=1.6mm, Lens Style=Clear,Rectangular, Luminous Intensity=120mcd, Mount="Surface Mount", Packaging="Tape and Reel", Pricing 1="1=0,14000, 50=0,13300, 100=0,11400, 500=0,09900 (USD)", REACH SVHC=Unknown, RoHS=Yes, Stock 1=48758, Supplier 1=Digi-Key, Viewing Angle=140°, Wavelength=590nm, Width=0.8mm
D19: library part Diode_Zener, Manufacturer 1="NXP Semiconductors", Manufacturer Part Number 1=BZX84J-B15.115, Power Dissopation=500mW, Supplier Part Number 1=1727-6257-1-ND, Voltage Rating (DC)=15V, Category="Zener Diodes", Lead Free="Lead Free", Packaging="Tape and Reel", Pricing 1="1=0,24000, 10=0,16700, 100=0,08150, 500=0,06798, 1000=0,04724 (USD)", RoHS=No, Stock 1=78829, Supplier 1=Digi-Key, Working Voltage=15V, Zener Voltage=15V